# KiCad board VLT.kicad_pcb (continued)
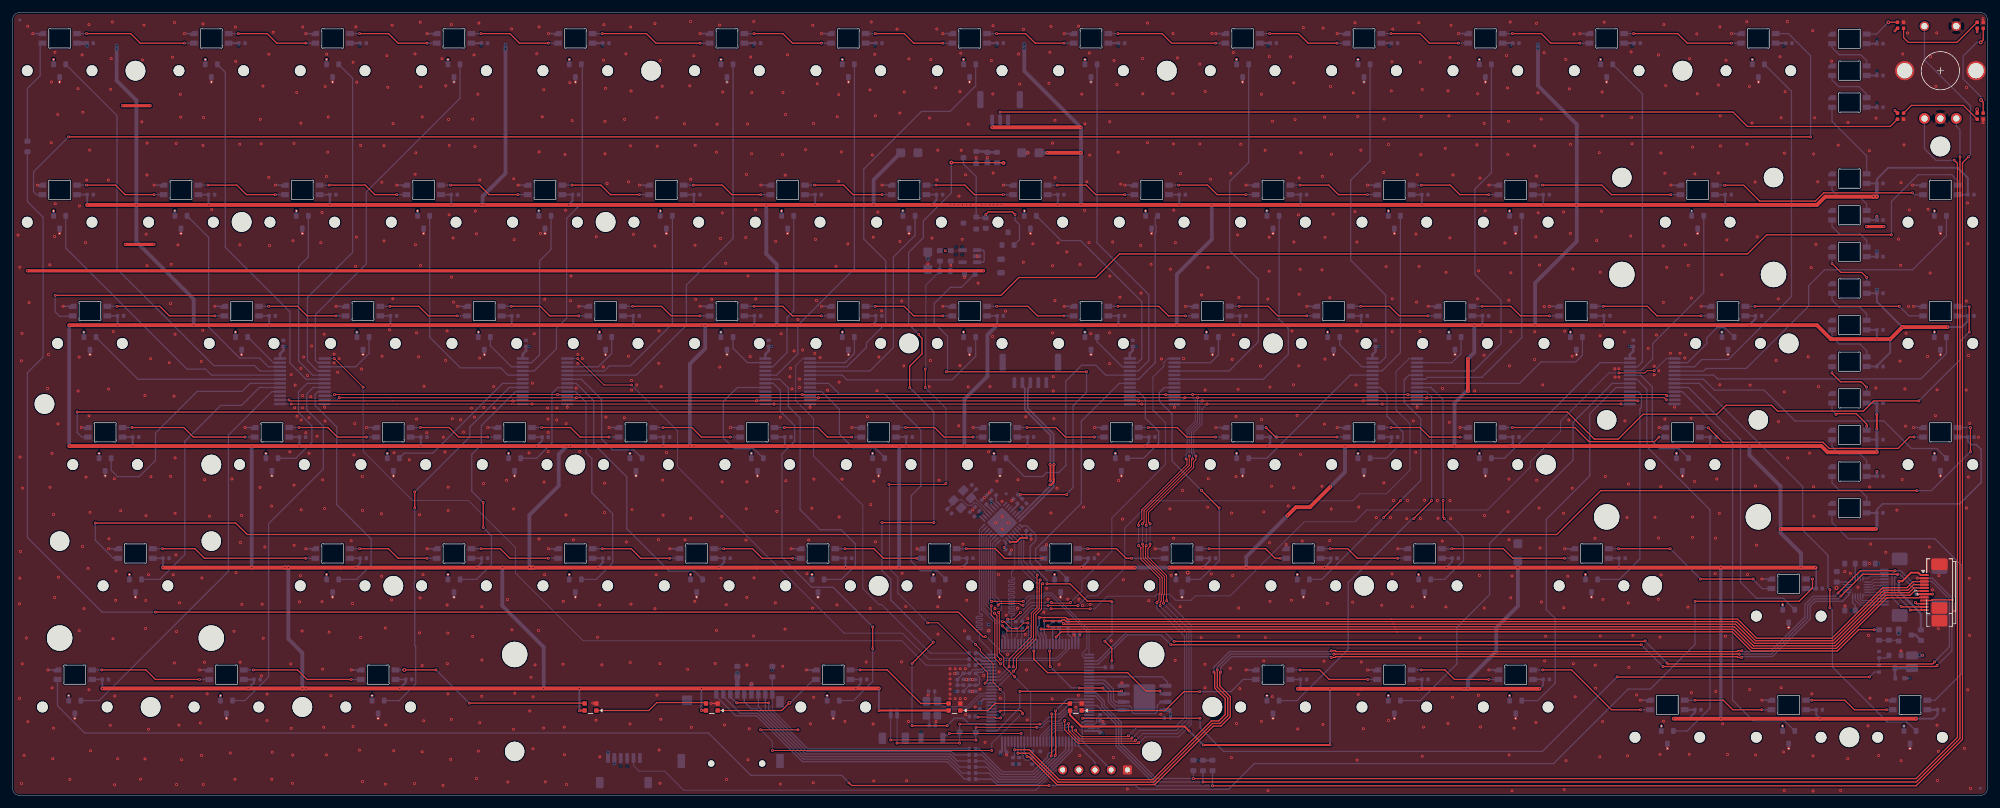
[diagram p0: board, top side]
## Copper pours and planes (outline as drawn; the poured copper is in the pictures) (continued)
VBUS on Bottom: 162.76,82.19 162.76,67.09 159.36,67.09 157.96,65.69 157.96,63.79 157.06,63.79 156.26,64.59 156.26,69.69 156.36,69.79 156.36,79.09 154.26,81.19 154.26,82.99 154.46,83.19 161.76,83.19

Small or netless copper shapes (teardrops, artwork), in the pictures only: 4 on Bottom

## Text on the board
B.Silkscreen: 08/04/26 / VLT_REV2.2 | RX | TX | 5V | 3V3 | CLK | SWD | RST | GND | LED | VB | D- | D+ | STM32H7VGT6
